# Altium PCB F.PcbDoc
Units mm, origin at the board's own origin, x right, y up, seen from the top; angles counter-clockwise.
Board outline 65 x 25 mm, 2 copper layers (Top Layer, Bottom Layer); 80 components, 51 nets, 269 pads, 170 vias.
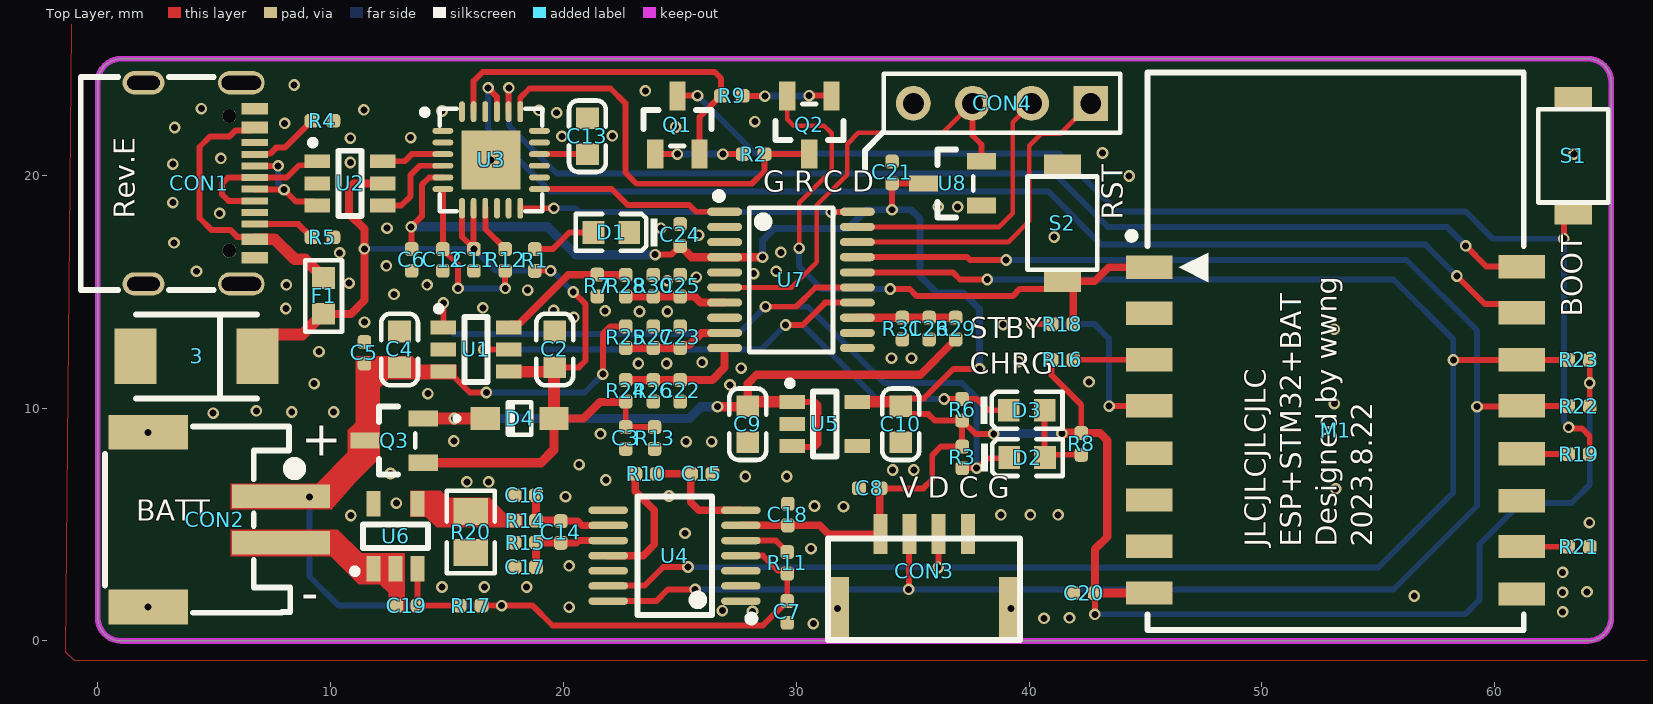
[diagram p0: Top Layer view]
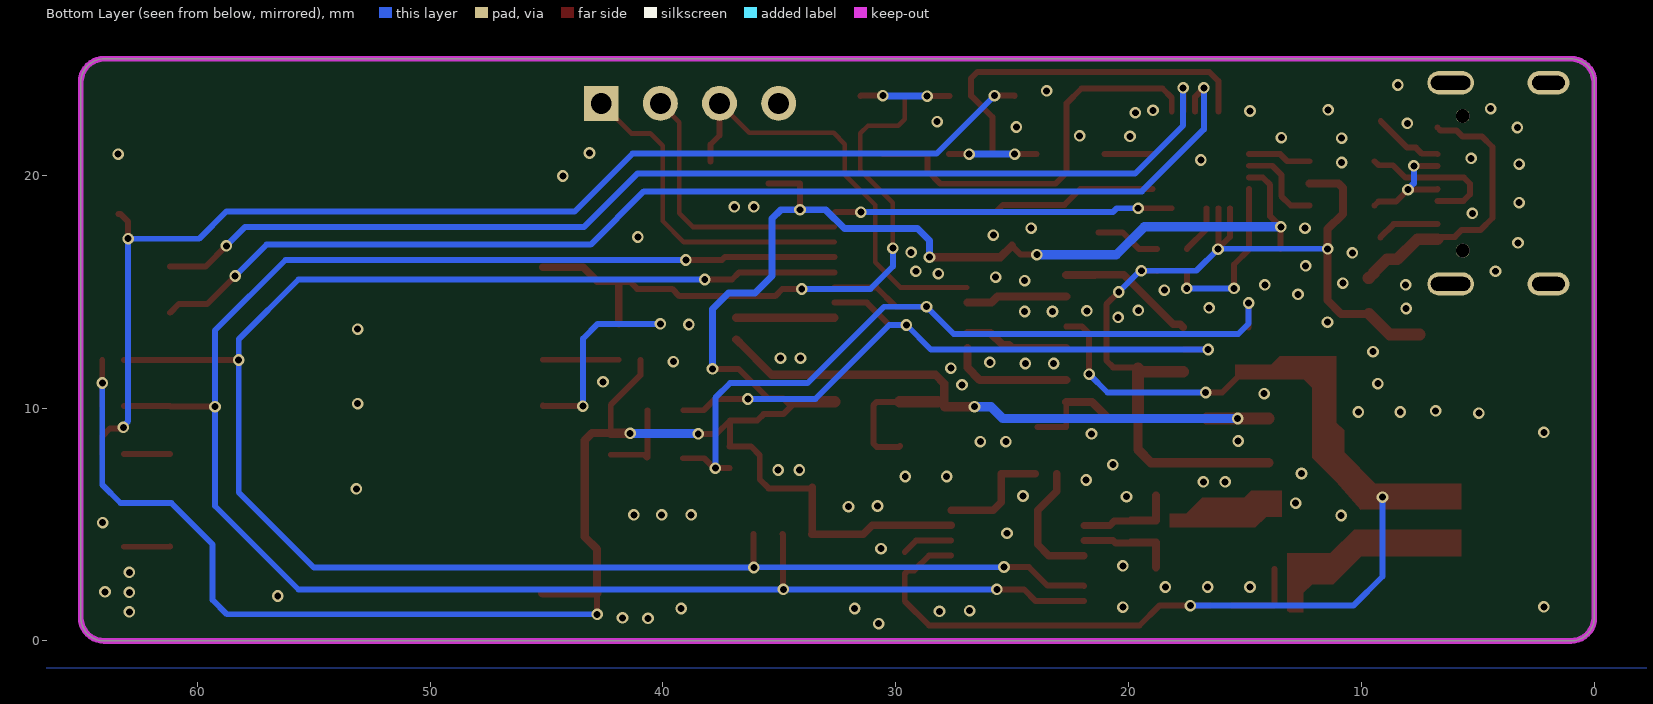
[diagram p1: Bottom Layer view, seen from below]

## Layer stack, top to bottom
Top Solder: solder mask 0.0102, Solder Resist, Dk 3.5
Top Layer: signal copper 0.0356
Dielectric 1: dielectric 0.32, FR-4, Dk 4.8
Bottom Layer: signal copper 0.0356
Bottom Solder: solder mask 0.0102, Solder Resist, Dk 3.5

## Board outline
0,1 0,24 cw(c1,24) 1,25 64,25 cw(c64,24) 65,24 65,1 cw(c64,1) 64,0 1,0 cw(c1,1)

## Design rules (kind name [scope] priority, off if disabled: settings)
Clearance [All] p1: gap=0.127 ignorepadtopadclearanceinfootprint=FALSE
PolygonConnect [All] p1: connectstyle=Direct reliefconductorwidth=0.254 reliefentries=4 polygonreliefangle="90 Angle" airgapwidth=0.254
RoutingVias [All] p1: holewidth=0.711 width=1.27 viastyle="Through Hole" minholewidth=0.711 minwidth=1.27 maxholewidth=0.711 maxwidth=1.27
SolderMaskExpansion [All] p1: expansion=0.102 istentingtop=FALSE
Width [All] p1: maxlimit=1 minlimit=0.152 preferedwidth=0.254
30 further rules are at their usual default settings.

## Components (designator, comment, footprint, x,y, rotation, side; value= is the part's Value field where it differs from the comment)
3 "Cap Pol1" 2312_6023-28_SMT-TAJ-C 4.242,12.217 r0 top value=100uF/16V (schematic designator C1)
C2 "4.7uF" 0603_C 19.627,12.515 r90 top
C3 "0.1uF" 0402_C1 22.676,8.712 r270 top
C4 "4.7uF" 0603_C 12.963,12.515 r90 top
C5 "0.1uF" 0402_C1 11.455,12.37 r90 top
C6 "0.1uF" 0402_C1 13.483,16.362 r270 top
C7 "0.1uF" 0402_C1 29.612,1.244 r90 top
C8 "0.1uF" 0402_C1 33.151,6.553 r0 top
C9 "1uF" 0603_C 27.918,9.306 r90 top
C10 "1uF" 0603_C 34.487,9.306 r90 top
C11 "4.7uF" 0402_C1 16.158,16.362 r90 top
C12 "1uF" 0402_C1 14.82,16.362 r90 top
C13 "4.7uF" 0603_C 21.031,21.674 r270 top
C14 "0.1uF" 0402_C1 19.892,4.676 r90 top
C15 "1uF" 0402_C1 25.936,7.169 r180 top
C16 "0.1uF" 0402_C1 18.36,6.249 r0 top
C17 "0.1uF" 0402_C1 18.36,3.165 r180 top
C18 "0.1uF" 0402_C1 29.638,5.424 r270 top
C19 "0.1uF" 0402_C1 13.275,1.513 r180 top
C20 "0.1uF" 0402_C1 42.361,2.053 r0 top
C21 "0.1uF" 0402_C1 34.112,20.117 r270 top
C22 "0.1uF" 0402_C1 25.013,10.739 r90 top
C23 "0.1uF" 0402_C1 25.013,13.044 r270 top
C24 "100nF" 0402_C1 25.013,17.434 r90 top
C25 "0.1uF" 0402_C1 25.013,15.254 r270 top
C26 "0.1uF" 0402_C1 35.702,13.414 r90 top
CON1 "USB Type-C" TYPE-C-SMD_HX-TYPE-C-16PIN 4.351,19.649 r270 top
CON2 "PH2.0 1x2" CONN-SMD_2P-P2.00_HDGC_HDGC2001WR-S-2P 5.018,5.209 r270 top
CON3 "GH1.25" "GH1.25 4P 卧贴" 35.491,0.041 r0 top
CON4 "HDR1x4" hdr1x4 42.647,23.089 r180 top
D1 "LED" 0603_LED_S1 22.058,17.544 r180 top
D2 "LED" 0603_LED_S1 39.914,7.87 r0 top
D3 "LED" 0603_LED_S1 39.896,9.905 r0 top
D4 "B5819W SL" SOD-123_MARK 18.119,9.553 r0 top
F1 "6V/0.5A" 0603_L 9.7,14.814 r270 top
M1 "ESP-12F" ESP_12 45.161,16.043 r0 top
Q1 "SS8050" SOT-23(SOT-23-3) 24.895,22.157 r270 top
Q2 "SS8050" SOT-23(SOT-23-3) 30.562,22.157 r90 top
Q3 "AO3415" SOT-23(SOT-23-3) 12.73,8.603 r0 top
R1 "10K" 0402_R1 18.771,16.358 r270 top
R2 "10K" 0402_R1 28.172,20.907 r180 top
R3 "47K" 0402_R1 37.132,7.883 r270 top
R4 "5.1K" 0402_R1 9.65,22.336 r180 top
R5 "5.1K" 0402_R1 9.65,17.328 r180 top
R6 "47K" 0402_R1 37.119,9.931 r90 top
R7 "5.1K" 0402_R1 21.454,15.263 r270 top
R8 "10K" 0402_R1 42.24,8.458 r90 top
R9 "10K" 0402_R1 27.232,23.407 r0 top
R10 "10K NTC" 0402_R1 23.551,7.169 r180 top
R11 "10K" 0402_r1 29.612,3.353 r270 top
R12 "10K" 0402_R1 17.496,16.362 r90 top
R13 "10K" 0402_R1 23.912,8.712 r270 top
R14 "100R" 0402_R1 18.36,5.163 r0 top
R15 "100R" 0402_R1 18.36,4.223 r0 top
R16 "10K" 0402_R1 41.431,12.063 r0 top
R17 "1K" 0402_R1 16.011,1.513 r0 top
R18 "1K" 0402_R1 41.431,13.609 r180 top
R19 "10K" 0402_R1 63.612,8.023 r0 top
R20 "0.01R(10mR)" 0805_R 16.019,4.676 r90 top
R21 "10K" 0402_R1 63.612,4.043 r0 top
R22 "10K" 0402_R1 63.612,10.083 r0 top
R23 "10K" 0402_R1 63.612,12.063 r0 top
R24 "10K" 0402_R1 22.676,10.739 r270 top
R25 "10K" 0402_R1 22.676,13.044 r90 top
R26 "10K" 0402_R1 23.86,10.739 r90 top
R27 "10K" 0402_R1 23.86,13.044 r270 top
R28 "10K" 0402_R1 22.676,15.254 r90 top
R29 "10K" 0402_R1 36.846,13.414 r270 top
R30 "10K" 0402_R1 23.86,15.254 r270 top
R31 "10K" 0402_R1 34.558,13.414 r90 top
S1 "3*4 龟仔" 3X4小龟 63.373,20.828 r90 top
S2 "3*4 龟仔" 3X4小龟 41.431,17.941 r90 top
U1 "TP4057" SOT-23-6 16.244,12.515 r180 top
U2 "USBLC6-2" SOT-23-6 10.835,19.649 r180 top
U3 "CP2105-F01-GM" QFN50P400X400X80_HS-25N 16.894,20.654 r0 top
U4 "BQ34Z100PWR" TSSOP-14 24.772,3.659 r90 top
U5 "RT9013-3.0V" SOT-23-5 31.225,9.315 r180 top
U6 "IP3012" SOT-23-5 12.79,4.494 r270 top
U7 "STM32G030F6P6" TSSOP-20 29.774,15.504 r270 top locked
U8 "MAX809T" SOT-23(SOT-23-3) 36.707,19.645 r0 top

## Footprints (in the part's own frame and the unit in brackets; to place one, negate y for a bottom-side part, rotate by r counter-clockwise, add the part's x,y. Pads: shape width x height; smd on the part's side, far side on the other; paste and mask are expansions set on the pad)
3X4小龟 [mm]
  rect 0.9x1.6 smd: 1(-2.5,0) 2(2.5,0)
  silkscreen extent -2,-1.5 2,1.5
0402_C1 [mm]
  rrect52% 0.6x0.58 smd: 1(-0.465,0) 2(0.465,0)
  body extent -0.48,-0.3 0.52,0.3, height 0.2
0402_R1 [mm]
  rrect52% 0.6x0.58 smd: 1(-0.465,0) 2(0.465,0)
  body extent -0.57,-0.27 0.58,0.28, height 0.41
0402_r1 [mm]
  rrect52% 0.6x0.58 smd: 1(-0.465,0) 2(0.465,0)
  body extent -0.57,-0.27 0.58,0.28, height 0.41
0603_C [mm]
  rect 0.93x0.98 smd: 1(-0.77,0) 2(0.77,0)
  silkscreen extent -1.53,-0.79 1.54,0.79, body extent -0.8,-0.4 0.8,0.4, height 0.3
0603_L [mm]
  rect 0.93x0.98 smd: 1(-0.77,0) 2(0.77,0)
  silkscreen extent -1.53,-0.79 1.54,0.79, body extent -0.82,-0.41 0.83,0.41, height 0.46
0603_LED_S1 [mm]
  rect 0.93x0.98 smd: A(0.77,0) K(-0.77,0)
  silkscreen extent -1.97,-0.79 1.54,0.79, body extent -0.8,-0.4 0.8,0.4, height 0.6
0805_R [mm]
  rect 1.16x1.47 smd: 1(-0.89,0) 2(0.89,0)
  silkscreen extent -1.77,-1.04 1.77,1.03, body extent -1,-0.62 1,0.63, height 0.49
2312_6023-28_SMT-TAJ-C [mm] "Metric 6023-28"
  rect 1.8x2.388 smd mask+0.051: 1(2.621,0) 2(-2.621,0)
  silkscreen extent -2.6,-1.8 2.6,1.8, body extent -3.5,-1.59 3.5,1.61, height 2.6
CONN-SMD_2P-P2.00_HDGC_HDGC2001WR-S-2P [mm]
  rect 1x4.2 smd paste+0 mask+0.05: 1(-1,2.85) 2(1,2.85)
  rect 1.5x3.4 smd paste+0 mask+0.05: 3(3.75,-2.85) 4(-3.75,-2.85)
  silkscreen extent -4,-4.7 4,3.68
ESP_12 [mm] "ESP-12 Wi-Fi Module by AI-Thinker"
  rect 2x1 smd: 1(0,0) 2(0,-1.97) 3(0,-3.97) 4(0,-5.94) 5(0,-7.98) 6(0,-9.99) 7(0,-11.98) 8(0,-13.99) 9(16,-14.03) 10(16,-11.99) 11(16,-10.03) 12(16,-8.01) 13(16,-5.95) 14(16,-3.97) 15(16,-1.95) 16(16,0.03)
  silkscreen extent -0.91,-15.57 16.08,8.37, body extent 0,-15.49 16,8.51, height 2.75
"GH1.25 4P 卧贴" [mm]
  rect 1x2.7 smd: 0(-3.725,1.35) 0(3.725,1.35)
  rect 0.6x1.7 smd: 1(-1.875,4.55) 2(-0.625,4.55) 3(0.625,4.55) 4(1.875,4.55)
  silkscreen extent -4.12,0 4.13,4.35
hdr1x4 [mm] "Connector; Header; 4 Position"
  rect 1.5x1.5 hole 0.9: 1(0,0)
  round 1.5 hole 0.9: 2(2.54,0) 3(5.08,0) 4(7.62,0)
  silkscreen extent -1.27,-1.27 8.89,1.27
QFN50P400X400X80_HS-25N [mm] "QFN, 24-Leads, Body 4.00x4.00mm, Pitch 0.50mm, Thermal Pad 2.54x2.54mm, IPC Medium Density"
  oval 0.9x0.25 smd: 1(-2.073,1.25) 2(-2.073,0.75) 3(-2.073,0.25) 4(-2.073,-0.25) 5(-2.073,-0.75) 6(-2.073,-1.25) 13(2.073,-1.25) 14(2.073,-0.75) 15(2.073,-0.25) 16(2.073,0.25) 17(2.073,0.75) 18(2.073,1.25)
  oval 0.25x0.9 smd: 7(-1.25,-2.073) 8(-0.75,-2.073) 9(-0.25,-2.073) 10(0.25,-2.073) 11(0.75,-2.073) 12(1.25,-2.073) 19(1.25,2.073) 20(0.75,2.073) 21(0.25,2.073) 22(-0.25,2.073) 23(-0.75,2.073) 24(-1.25,2.073)
  rect 2.54x2.54 smd: 25(0,0)
  silkscreen extent -2.97,-2.2 2.2,2.2, body extent -2.1,-2.1 2.1,2.1, height 0.8
SOD-123_MARK [mm]
  rect 1.25x1 smd: 1(1.475,0) 2(-1.475,0)
  silkscreen extent -2.79,-0.7 0.5,0.7, body extent -1.85,-0.77 1.85,0.78, height 1.35
SOT-23(SOT-23-3) [mm]
  rect 1.25x0.7 smd: 1(1.25,-0.95) 2(1.25,0.95) 3(-1.25,0)
  silkscreen extent -0.65,-1.46 0.9,1.46, body extent -1.5,-1.5 1.5,1.5, height 1.3
SOT-23-5 [mm]
  rect 1.1x0.6 smd: 1(1.4,-0.95) 2(1.4,0) 3(1.4,0.95) 4(-1.4,0.95) 5(-1.4,-0.95)
  silkscreen extent -0.5,-1.87 1.62,1.4
SOT-23-6 [mm]
  rect 1.1x0.6 smd: 1(1.4,-0.95) 2(1.4,0) 3(1.4,0.95) 4(-1.4,0.95) 5(-1.4,0) 6(-1.4,-0.95)
  silkscreen extent -0.5,-1.87 1.72,1.4
TSSOP-14 [mm]
  oval 0.32x1.7 smd: 1(-1.95,-2.85) 2(-1.3,-2.85) 3(-0.65,-2.85) 4(0,-2.85) 5(0.65,-2.85) 6(1.3,-2.85) 7(1.95,-2.85) 8(1.95,2.85) 9(1.3,2.85) 10(0.65,2.85) 11(0,2.85) 12(-0.65,2.85) 13(-1.3,2.85) 14(-1.95,2.85)
  silkscreen extent -2.85,-3.45 2.55,1.6
TSSOP-20 [mm]
  oval 0.35x1.5 smd: 1(-2.925,-2.85) 2(-2.275,-2.85) 3(-1.625,-2.85) 4(-0.975,-2.85) 5(-0.325,-2.85) 6(0.325,-2.85) 7(0.975,-2.85) 8(1.625,-2.85) 9(2.275,-2.85) 10(2.925,-2.85) 11(2.925,2.85) 12(2.275,2.85) 13(1.625,2.85) 14(0.975,2.85) 15(0.325,2.85) 16(-0.325,2.85) 17(-0.975,2.85) 18(-1.625,2.85) 19(-2.275,2.85) 20(-2.925,2.85)
  silkscreen extent -3.75,-3.25 3.1,1.8
TYPE-C-SMD_HX-TYPE-C-16PIN [mm]
  oval 1x2 hole 0.6 slot 1.7 at 90 deg paste+0 mask+0.051: 1(-4.32,1.816) 1(4.32,1.816)
  oval 1x1.8 hole 0.6 slot 1.4 at 90 deg paste+0 mask+0.051: 1(-4.32,-2.384) 1(4.32,-2.384)
  round 0.6 hole 0.6: 6(-2.89,1.296) 6(2.89,1.296)
  rect 0.5x1.14 smd paste-100 mask+0.051: A1(-3.2,2.383) A4(-2.4,2.383) A9(2.4,2.383) A12(3.2,2.383)
  rect 0.3x1.14 smd paste-100 mask+0.051: A5(-1.25,2.383) A6(-0.25,2.383) A7(0.25,2.383) A8(1.25,2.384) B5(1.75,2.383) B6(0.75,2.383) B7(-0.75,2.383) B8(-1.75,2.384)
  silkscreen extent -4.57,-5.08 4.57,0.63

## Part data
3: "Polarized Capacitor (Radial)", LatestRevisionDate=17-Jul-2002, LatestRevisionNote="Re-released for DXP Platform.", PackageDescription="Polarized Capacitor (Radial); 2 Leads", PackageReference=RB7.6-15, Published=8-Jun-2000, Publisher="Altium Limited"
C2 C3 C4 C5 C6 C7 C8 C9 C10 C11 C12 C13 C14 C15 C16 C17 C18 C19 C20 C21 C22 C23 C24 C25 C26: library part "0603 100nF (104) 10% 50V", "贴片电容", Package=0603, SuppliersPartNumber=C14663, ComponentLink1Description=供应商链接, ComponentLink1URL=http://www.szlcsc.com/product/details_15331.html, Supplier=LC
CON2: library part HDR1x2
CON3: library part HDR1x4
D1 D2 D3 D4: library part Diode, "二极管", Package=SMA(DO-214AC), SuppliersPartNumber=C95872, ComponentLink1Description=供应商链接, ComponentLink1URL=http://www.szlcsc.com/product/details_2841.html, Notepad="1N4007 4007 编号C2464 已经停售, 使用新物料编号C95872", Supplier=LC
F1 R1 R2 R3 R4 R5 R6 R7 R8 R9 R10 R11 R12 R13 R14 R15 R16 R17 R18 R19 R20 R21 R22 R23 R24 R25 R26 R27 R28 R29 R30 R31: library part RES, "Resistor"
Q1 Q2: "NPN General Purpose Amplifier"
Q3: "P沟道,-20V,-4A,41mΩ@-4.5V"
S1 S2: library part SW-PB, "Switch", LatestRevisionDate=17-Jul-2002, LatestRevisionNote="Re-released for DXP Platform.", PackageDescription="Switch; 2 Leads", PackageReference=SPST-2, Published=24-Mar-1999, Publisher="Altium Limited"
U1: "500mA 线性锂离子电池充电器"
U2: "Very low capacitance ESD protection"
U5: library part RT9013-3.3V
U6: "高精度内置 MOSFET 单节锂电池保护 IC"
U8: "3.08v"

## Via types
v1: diameter 0.5, hole 0.3, Top Layer to Bottom Layer, tented both sides, 170 vias

## Nets (pads, with @x,y where several pads share a name; then routed paths per layer and width w, separated by ;. In a path a pad name is that pad's centre, name@x,y a point inside that pad or via, vN(x,y) a via of type N, cw(c..) or ccw(c..) an arc to the next point about the centre after c; other vN are vias at no path point)
5VADC: C22.2 R24.1 R26.2 U7.10 | length 5.3
  Top Layer w0.35: R24.1 R26.2 C22.2 26.394,11.204 26.924,11.735 U7.10
031RST: CON4.3 U7.6 U8.2 | length 18.8
  Top Layer w0.2: U7.6 29.809,15.179 30.886,16.256 30.886,18.72 32.182,20.015 32.182,21.336 32.664,21.819 36.297,21.819 CON4.3 CON4.3@37.567,22.763
  Top Layer w0.254: CON4.3@37.567,22.763 37.567,21.708 37.957,21.318 U8.2
031RXD: U3.12 U7.20 | length 14.6
  Top Layer w0.152: U7.20@32.604,18.409 U7.20
  Top Layer w0.254: U3.12 v1(19.588,18.581) ; v1(31.496,18.415) 31.503,18.422 32.592,18.422 U7.20@32.604,18.409
  Bottom Layer w0.254: v1(19.588,18.581) 20.51,18.581 20.676,18.415 v1(31.496,18.415)
031TXD: U3.13 U7.1 | length 8.4
  Top Layer w0.254: U3.13 22.074,19.404 22.758,18.72 25.4,18.72 25.691,18.429 U7.1
2105VIO: C12.2 R12.1 U3.6 | length 7.3
  Top Layer w0.254: U3.6 C12.2 14.82,16.817 15.469,16.168 v1(15.469,15.138) ; R12.1 17.498,15.894 17.498,15.141 v1(17.501,15.138)
  Bottom Layer w0.254: v1(15.469,15.138) v1(17.501,15.138)
8266RXD: M1.16 U3.20 | length 48.7
  Top Layer w0.254: U3.20 17.646,22.73 17.646,23.742 v1(17.653,23.749) ; v1(58.75,16.967) 59.639,16.078 61.156,16.078 M1.16
  Bottom Layer w0.254: v1(17.653,23.749) 17.653,22.136 19.723,20.066 41.097,20.066 43.383,17.78 57.937,17.78 v1(58.75,16.967)
8266TXD: M1.15 U3.21 | length 50.6
  Top Layer w0.254: v1(16.764,23.749) 17.142,23.371 17.142,22.73 U3.21 ; v1(58.369,15.672) 59.575,14.466 60.788,14.466 M1.15
  Bottom Layer w0.254: v1(16.764,23.749) 16.764,21.971 19.431,19.304 40.818,19.304 43.104,17.018 57.023,17.018 v1(58.369,15.672)
+2.5V: C15.2 R10.1 U4.7 | length 5
  Top Layer w0.32: R10.1 C15.2 25.471,5.949 25.811,5.609 U4.7
+3.0V: C6.1 C8.2 C10.2 C18.2 C20.2 C21.2 C24.1 CON3.1 M1.8 R3.1 R6.1 R8.2 R16.1 R22.2 R23.2 U3.5 U4.6 U5.5 U7.4 U8.3 | length 113.4
  Top Layer w0.254: C6.1@13.483,16.837 13.472,16.847 13.472,17.77 v1(13.462,17.78) 13.919,18.237 13.919,19.583 14.238,19.902 14.818,19.902 U3.5 ; v1(23.943,16.586) 24.63,16.586 C24.1 ; C8.2 35.458,6.553 35.839,6.934 35.839,7.976 36.212,8.348 R3.1 ; v1(34.112,18.517) 34.112,19.645 C21.2@34.116,19.648 ; C21.2 C21.2@34.116,19.648 ; C10.2@34.297,10.265 C10.2 ; U8.3 35.454,19.648 C21.2@34.116,19.648 ; R3.1@37.119,8.361 R6.1 ; v1(37.871,11.684) 36.754,11.684 35.483,10.414 34.825,10.414 C10.2 ; v1(38.481,8.89) 37.695,8.89 R6.1 ; R16.1 40.966,11.409 42.24,10.135 R8.2 R8.2@42.236,8.919 ; v1(41.402,8.915) v1@41.406,8.919 ; v1(42.824,1.143) C20.2@42.825,2.052 ; R22.2 v1(64.077,11.073) R23.2 ; C10.2 34.825,9.738 35.674,9.738 35.946,9.466 R6.1
  Top Layer w0.32: U4.6 C18.2 31.007,4.959 31.394,4.572 33.616,4.572 33.581,4.607 C8.2@33.581,6.589
  Top Layer w0.35: C24.1 25.503,16.479 U7.4 v1(28.55,16.479) ; R8.2 43.045,8.923 43.358,8.611 43.358,4.47 42.826,3.938 C20.2
  Top Layer w0.4: v1@41.406,8.919 R8.2@42.236,8.919 ; C20.2 M1.8
  Top Layer w0.5: U5.5 C10.2@34.297,10.265
  Bottom Layer w0.254: v1@41.389,8.903 v1(41.402,8.915) ; v1(42.824,1.143) 58.725,1.143 59.334,1.753 59.334,4.14 61.112,5.918 63.297,5.918 64.077,6.699 v1(64.077,11.073)
  Bottom Layer w0.3: v1(28.55,16.479) 28.55,17.196 29.058,17.704 32.207,17.704 33.02,18.517 v1(34.112,18.517) 34.925,18.517 35.306,18.136 35.306,15.672 36.043,14.935 37.186,14.935 37.871,14.249 v1(37.871,11.684)
  Bottom Layer w0.4: v1(13.462,17.78) 19.329,17.78 20.523,16.586 v1(23.943,16.586) ; v1(38.481,8.89) 38.494,8.903 v1@41.389,8.903
+5V: 3.1 C2.1 C3.1 C11.2 D4.1 F1.2 Q3.1 R1.2 R13.1 R24.2 U1.4 U2.5 U3.7 U3.8 | length 47
  Top Layer w0.254: F1.2@9.675,14.044 F1.2 ; U3.7 15.644,17.353 C11.2@16.146,16.851 ; U3.8 16.146,18.579 C11.2@16.146,16.851 ; v1(16.158,16.827) 16.158,16.839 C11.2@16.146,16.851 ; R1.2 18.774,15.896 v1(19.452,15.896) ; C2.1 20.66,11.745 20.955,12.04 20.955,14.453 v1(20.422,14.986) ; R24.2 22.676,10.264 C3.1 R13.1
  Top Layer w0.35: F1.2 10.869,14.044 11.455,14.63 11.455,16.835 v1(11.45,16.84) 11.45,17.684 10.795,18.339 10.795,19.456 10.988,19.649 U2.5 ; C2.1@19.447,11.565 19.594,11.712 C2.1 ; D4.1 D4.1@19.594,9.586 ; D4.1@19.599,9.553 20.856,9.553 21.567,10.264 R24.2@22.676,10.264
  Top Layer w0.4: Q3.1 19.033,7.653 19.594,8.215 D4.1
  Top Layer w0.5: 3.1@7.493,13.157 8.788,13.157 F1.2@9.675,14.044 ; U1.4 C2.1@19.447,11.565 ; D4.1@19.594,9.586 C2.1@19.594,11.712
  Bottom Layer w0.254: v1(11.45,16.84) v1@16.145,16.84 ; v1(16.158,16.827) 17.088,15.896 v1@19.482,15.896 ; v1(19.452,15.896) 19.511,15.896 v1(20.422,14.986)
BAT+: C4.1 C5.1 C7.2 CON2.1 Q3.3 R11.2 R17.2 R25.2 U1.3 U4.4 | length 41.7
  Top Layer w0.254: C4.1@12.954,11.736 C4.1 ; U1.3 15.094,11.565 15.267,11.392 15.267,11.378 15.977,10.668 v1(16.688,10.668) ; R17.2 v1(17.348,1.513) 18.68,1.513 19.533,0.66 28.564,0.66 C7.2 R11.2 29.47,3.03 29.202,3.03 28.573,3.659 U4.4 ; v1(21.692,11.455) 21.692,13.195 22.005,13.509 R25.2
  Top Layer w0.35: Q3.3@11.379,8.704 Q3.3
  Top Layer w0.5: CON2.1 9.056,6.209 v1(9.093,6.172) ; C4.1@12.767,11.549 C4.1@12.954,11.736
  Bottom Layer w0.254: v1(9.093,6.172) 9.093,2.769 10.348,1.513 v1(17.348,1.513) ; v1(16.688,10.668) 20.904,10.668 v1(21.692,11.455)
BAT-: C19.2 CON2.2 U6.1 U6.2
BATADC: C23.2 R25.1 R27.2 U7.9 | length 4.5
  Top Layer w0.35: R25.1 R27.2 C23.2 25.013,12.589 25.128,12.704 25.404,12.704 25.929,13.229 U7.9
BOOT: Q1.3 R19.2 S1.1 | length 51.9
  Top Layer w0.254: Q1.3 24.907,23.419 v1(25.756,23.419) ; v1(62.967,17.272) 62.967,18.005 63.29,18.328 S1.1 ; v1(63.17,9.169) 63.217,9.122 63.75,9.122 64.077,8.795 R19.2
  Bottom Layer w0.254: v1(25.756,23.419) 28.251,20.924 41.306,20.924 43.79,18.44 58.75,18.44 59.919,17.272 v1(62.967,17.272) 62.967,9.439 63.157,9.249 63.157,9.182 v1(63.17,9.169)
CHRG: D2.K R3.2 U1.1 U7.15 | length 36.6
  Top Layer w0.254: U1.1 v1(14.844,14.514) ; v1(28.677,14.351) 29.997,14.351 30.825,15.179 U7.15 ; R3.2 v1(37.744,7.417) ; v1@37.796,7.418 38.223,7.845 D2.K@39.144,7.845
  Bottom Layer w0.254: v1(14.844,14.514) 14.844,13.63 15.291,13.183 27.508,13.183 v1(28.677,14.351) 30.505,14.351 33.782,11.074 37.109,11.074 37.744,10.439 v1(37.744,7.417)
D+: U2.6 U3.3 | length 2.7
  Top Layer w0.25: U2.6 13.182,20.599 13.488,20.904 U3.3
D-: U2.4 U3.4 | length 3.8
  Top Layer w0.25: U2.4 13.035,18.699 13.437,19.101 13.437,20.015 13.826,20.404 U3.4
DTR: Q1.2 R9.1 U3.23 | length 15.8
  Top Layer w0.254: U3.23 16.144,24.043 16.535,24.435 26.492,24.435 26.767,24.16 R9.1 ; Q1.2 25.845,22.494 R9.1@26.757,23.407
ESP_RST: M1.1 Q2.2 R18.1 S2.1 | length 27.3
  Top Layer w0.2: Q2.2 29.612,22.407 29.896,22.123 31.191,22.123 31.521,21.793 31.521,20.218 30.124,18.821 v1(30.124,16.866)
  Top Layer w0.254: v1(34.036,15.113) 34.874,15.113 35.179,14.808 39.294,14.808 39.604,15.118 41.108,15.118 S2.1
  Top Layer w0.32: S2.1 41.896,15.441 42.822,15.441 43.424,16.043 M1.1 ; R18.1 S2.1@41.896,15.421
  Bottom Layer w0.254: v1(30.124,16.866) 30.124,16.078 31.09,15.113 v1(34.036,15.113)
GND: 3.2 C2.2 C3.2 C4.2 C5.2 C6.2 C7.1 C8.1 C9.1 C10.1 C11.1 C12.1 C13.1 C15.1 C16.1 C17.2 C18.1 C20.1 C21.1 C22.1 C23.1 C24.2 C25.1 C26.1 CON1.A1 CON1.A12 CON3.4 CON4.4 D1.K M1.9 R4.1 R5.1 R7.2 R13.2 R15.1 R20.1 R21.2 R26.1 R27.1 R30.1 R31.1 S1.2 S2.2 U1.2 U2.2 U3.2 U3.25 U4.1 U4.2 U4.3 U4.8 U4.12 U5.2 U7.5 U8.1
  other v1: 30.734,0.737 40.64,0.965 41.732,0.991 62.916,1.245 28.118,1.27 26.822,1.295 31.766,1.391 39.216,1.391 2.168,1.459 20.244,1.448 56.54,1.93 62.916,2.083 63.957,2.108 14.783,2.311 16.603,2.311 18.423,2.311 62.916,2.946 20.244,3.226 30.632,3.962 25.222,4.623 64.059,5.08 10.871,5.385 38.786,5.41 40.056,5.41 41.25,5.41 32.029,5.766 30.785,5.791 12.827,5.918 20.091,6.198 24.536,6.223 53.162,6.528 15.85,6.833 16.789,6.833 21.819,6.909 27.813,7.061 29.591,7.061 12.573,7.188 34.138,7.341 35.052,7.341 20.676,7.569 25.273,8.56 26.365,8.56 15.291,8.585 21.59,8.89 2.168,8.959 4.953,9.779 8.331,9.83 10.135,9.83 6.807,9.881 53.111,10.185 14.173,10.617 27.153,10.998 9.296,11.049 42.57,11.125 27.635,11.709 23.216,11.913 24.435,11.913 25.959,11.963 39.548,11.989 34.087,12.141 34.95,12.141 9.5,12.421 53.111,13.386 38.887,13.589 11.455,13.691 20.447,13.894 23.266,14.148 24.46,14.148 21.793,14.173 19.583,14.199 8.077,14.275 16.535,14.3 12.725,14.884 18.466,15.062 8.103,15.291 14.148,15.291 10.795,15.367 24.46,15.469 25.705,15.621 28.169,15.773 4.242,15.875 29.134,15.875 12.395,16.104 10.389,16.662 29.337,16.688 3.277,17.094 41.072,17.348 25.806,17.424 12.421,17.729 24.181,17.729 5.232,18.364 36.093,18.644 36.932,18.644 3.226,18.821 44.298,19.964 3.226,20.472 10.846,20.549 16.894,20.654 5.283,20.726 63.398,20.904 43.155,20.955 10.846,21.59 13.437,21.615 19.939,21.666 22.098,21.692 3.302,22.047 24.816,22.073 8.026,22.225 28.219,22.301 19.71,22.682 14.783,22.758 18.948,22.784 11.43,22.809 4.445,22.86 23.52,23.622 8.433,23.876
LDOADC: C26.2 R29.1 R31.2 U7.13 | length 4.2
  Top Layer w0.35: U7.13 R31.2 R29.1
LDOVin: C9.2 D4.2 Q3.2 R29.2 U5.1 U5.3 | length 31.9
  Top Layer w0.254: C9.2@27.9,10.058 C9.2 ; U5.3 29.859,8.331 30.814,8.331 30.963,8.48 30.963,10.116 30.814,10.265 U5.1
  Top Layer w0.35: C9.2 27.918,11.052 28.296,11.43 35.327,11.43 36.721,12.824 36.731,12.824 36.846,12.939 R29.2
  Top Layer w0.4: v1(26.619,10.058) C9.2@27.9,10.058
  Top Layer w0.5: Q3.2 v1(15.312,9.553) D4.2 ; C9.2@28.194,10.265 U5.1
  Bottom Layer w0.4: v1(15.312,9.553) 25.403,9.553 25.908,10.058 v1(26.619,10.058)
NetC13_2: C13.2 U3.16 | length 2.1
  Top Layer w0.254: U3.16 C13.2
NetC14_1: C14.1 C17.1 R15.2 U4.10 | length 4.2
  Top Layer w0.3: C14.1 20.568,4.211 20.667,4.309 U4.10
  Top Layer w0.35: C17.1 R15.2 C14.1@19.892,4.223
NetC14_2: C14.2 C16.2 R14.2 U4.9 | length 4.3
  Top Layer w0.3: C14.2 20.615,5.141 20.796,4.959 U4.9
  Top Layer w0.35: C16.2 R14.2 C14.2@19.892,5.163
NetC19_1: C19.1 R17.1 U6.3 | length 3.4
  Top Layer w0.254: U6.3 C19.1 R17.1
NetCON1_A4: CON1.A4 CON1.A9 F1.1 | length 12.2
  Top Layer w0.254: CON1.A9 6.629,17.354 5.988,17.354 5.69,17.653 4.877,17.653 4.369,18.161 4.369,21.209 4.826,21.666 5.664,21.666 5.924,21.926 6.611,21.926 CON1.A4
  Top Layer w0.5: CON1.A9 7.592,17.249 8.458,16.383 8.901,16.383 9.46,15.824 9.46,15.799 9.675,15.584 F1.1
NetCON1_A5: CON1.A5 R4.2 | length 3
  Top Layer w0.254: CON1.A5 6.757,20.922 7.405,20.922 7.664,21.181 8.03,21.181 R4.2@9.169,22.321
NetCON1_A6: CON1.A6 CON1.B6 U2.1 | length 6.5
  Top Layer w0.254: CON1.B6 5.612,18.899 5.334,19.177 5.334,19.634 5.599,19.899 CON1.A6 8.114,19.899 8.641,20.426 9.262,20.426 U2.1
NetCON1_A7: CON1.A7 CON1.B7 U2.3 | length 5.1
  Top Layer w0.254: CON1.A7 6.743,19.39 v1@7.991,19.39 ; CON1.B7 6.736,20.401 7.745,20.401 v1(7.747,20.403) ; v1(8.001,19.38) 8.509,18.872 9.262,18.872 U2.3
  Bottom Layer w0.254: v1@7.747,20.385 7.747,19.652 8.001,19.398 v1(8.001,19.38)
NetCON1_B5: CON1.B5 R5.2 | length 2.7
  Top Layer w0.254: CON1.B5 8.614,17.899 R5.2
NetD1_A: D1.A R1.1 | length 2.8
  Top Layer w0.254: R1.1 19.54,16.823 20.262,17.544 D1.A
NetD2_A: D2.A D3.A R8.1 | length 3.7
  Top Layer w0.254: D3.A 40.666,7.888 D2.A 40.808,7.993 R8.1
NetM1_3: M1.3 R16.2 | length 3.3
  Top Layer w0.254: R16.2@41.896,12.073 M1.3
NetM1_4: M1.4 R18.2 | length 9.1
  Top Layer w0.254: v1(40.107,13.614) 40.109,13.612 40.963,13.612 R18.2 ; v1(43.434,10.084) 45.142,10.084 M1.4
  Bottom Layer w0.254: v1(40.107,13.614) 42.799,13.614 43.434,12.979 v1(43.434,10.084)
NetM1_10: M1.10 R21.1 | length 2
  Top Layer w0.254: M1.10 61.17,4.043 R21.1
NetM1_12: M1.12 R19.1 | length 2
  Top Layer w0.254: M1.12 61.17,8.023 R19.1
NetQ1_1: Q1.1 R2.2 | length 3.8
  Top Layer w0.254: Q1.1 23.947,20.904 v1(24.892,20.904) ; v1(26.848,20.904) v1(26.848,20.904) 27.706,20.905 R2.2
  Bottom Layer w0.3: v1(24.892,20.904) v1(26.848,20.904)
NetQ2_1: Q2.1 R9.2 | length 3.8
  Top Layer w0.254: R9.2 27.704,23.4 28.645,23.4 v1(28.651,23.393) ; v1(30.556,23.419) 31.5,23.419 Q2.1
  Bottom Layer w0.3: v1(28.651,23.393) 28.664,23.406 30.543,23.406 v1(30.556,23.419)
NetR10_2: R10.2 U4.11 | length 5.5
  Top Layer w0.32: U4.11 23.42,3.659 23.901,4.14 23.901,5.613 23.086,6.429 R10.2
NetR11_1: R11.1 U4.5 | length 2.2
  Top Layer w0.254: U4.5 29.121,4.309 R11.1
NetR12_2: R12.2 U3.9 | length 2.1
  Top Layer w0.254: U3.9 16.644,17.689 17.496,16.837 R12.2
NetR14_1: R14.1 R20.2 U6.4 | length 1
  Top Layer w0.35: R20.2 R20.2@16.421,5.163
  Top Layer w0.6: U6.4@13.74,5.74 U6.4 ; R20.2@15.844,5.74 R20.2
PROG: R7.1 R28.2 U1.6 | length 6
  Top Layer w0.32: U1.6 17.784,13.605 18.075,13.605 20.198,15.728 R7.1
  Top Layer w0.35: R7.1@21.454,15.719 R28.2
PROGADC: C25.2 R28.1 R30.2 U7.7 | length 4.4
  Top Layer w0.35: R28.1 R30.2 25.622,14.789 25.883,14.529 U7.7
RTS: Q2.3 R2.1 U3.19 | length 17.6
  Top Layer w0.254: U3.19 18.144,23.325 18.542,23.724 22.022,23.724 22.657,23.089 22.657,20.117 23.139,19.634 28.092,19.634 28.637,20.179 R2.1 Q2.3
SCL3V3: CON3.3 M1.14 R23.1 U4.13 U7.16 | length 77.7
  Top Layer w0.254: U4.13 21.935,2.372 23.479,2.372 24.282,3.175 v1(25.349,3.175) ; U7.16 32.639,15.814 36.739,15.814 37.033,15.519 v1(38.202,15.519) ; v1(36.093,3.15) 36.105,3.161 36.105,4.579 CON3.3 ; v1(58.217,12.065) 61.154,12.065 M1.14 61.17,12.063 R23.1
  Bottom Layer w0.254: v1(25.349,3.175) 25.362,3.162 36.081,3.162 v1(36.093,3.15) 54.991,3.15 58.217,6.375 v1(58.217,12.065) 58.217,12.954 55.651,15.519 v1(38.202,15.519)
SDA3V3: CON3.2 M1.13 R22.1 U4.14 U7.17 | length 80.8
  Top Layer w0.254: U4.14 23.985,1.709 24.486,2.21 v1(25.654,2.21) ; U7.17 32.627,16.482 37.341,16.482 37.466,16.356 v1(39.01,16.356) ; v1(34.823,2.21) 34.845,2.231 34.845,4.569 CON3.2 ; v1(59.233,10.058) 61.145,10.058 61.17,10.083 R22.1
  Bottom Layer w0.254: v1(25.654,2.21) 55.651,2.21 59.233,5.791 v1(59.233,10.058) 59.233,13.335 56.211,16.356 v1(39.01,16.356)
STBY: D3.K R6.2 U1.5 U7.14 | length 29.1
  Top Layer w0.254: v1(16.579,12.515) U1.5 ; v1(29.54,13.564) 30.277,13.564 31.242,14.529 U7.14 ; v1(36.347,10.389) 36.351,10.392 37.116,10.392 R6.2 37.747,10.396 38.238,9.905 D3.K
  Bottom Layer w0.254: v1(16.579,12.515) 28.492,12.515 v1(29.54,13.564) 30.277,13.564 33.452,10.389 v1(36.347,10.389)
SWCLK: CON4.2 U7.19 | length 12
  Top Layer w0.2: U7.19 38.708,17.779 39.294,18.364 39.294,22.276 CON4.2
SWDIO: CON4.1 U7.18 | length 14.4
  Top Layer w0.2: U7.18 39.1,17.129 40.005,18.034 40.005,21.26 40.538,21.793 41.351,21.793 CON4.1
pads on no net: CON1.1 CON1.6 CON1.A8 CON1.B8 CON2.3 CON2.4 CON3.0 M1.2 M1.5 M1.6 M1.7 M1.11 U3.1 U3.10 U3.11 U3.14 U3.15 U3.17 U3.18 U3.22 U3.24 U5.4 U6.5 U7.2 U7.3 U7.8 U7.11 U7.12

## Polygon pours and split planes (outlines as drawn)
GND on Top Layer "NONET_L01_P000" (solid, remove dead copper, shelved, pour order 0): -1.397,-0.457 -1.016,-0.838 91.338,-0.838 91.338,45.822 90.729,46.431 -0.94,46.431
GND on Bottom Layer "NONET_L02_P001" (solid, remove dead copper, shelved, pour order 1): -2.565,46.863 -2.489,46.787 -2.489,-1.168 91.288,-1.168 91.592,-0.864 91.008,-0.279 91.008,46.863

## Keep-outs
Keep-Out Layer:
  the board outline again, w0.254

## Other copper
Top Layer:
  region net BAT+: 10.744,8.103 9.398,6.756 5.715,6.756 5.715,5.651 10.033,5.639 11.074,6.833 12.116,7.874 12.116,11.227 15.392,11.227 15.418,11.252 15.418,11.862 13.868,11.862 13.513,12.217 12.446,12.217 11.074,12.217 11.074,9.373 10.744,9.042
  pour cut-out: 45.078,18.77 61.245,18.77 61.245,25 45.03,25
  region net BAT-: 5.715,4.775 5.715,3.632 10.008,3.632 11.201,2.438 12.116,2.438 12.497,2.057 12.497,1.219 13.106,1.219 13.183,1.295 13.183,3.759 11.328,3.759 10.312,4.775
  region net NetR14_1: 13.411,6.452 14.732,6.452 15.037,6.147 16.84,6.147 17.526,5.461 18.237,5.461 18.237,4.877 16.891,4.877 14.554,4.877 14.097,5.334 13.411,5.334
  region net BAT+: 12.471,11.227 12.116,11.227 12.116,10.871
Bottom Layer:
  pour cut-out: 45.078,18.77 61.245,18.77 61.245,25 45.03,25

## Silkscreen, mask and mechanical layers (free items; w line width, h text height)
Top Overlay:
  lines w0.254: 32.944,20.269 32.944,21.057 33.718,21.831
  text "G R C D" at 28.575,18.999 h1.52
  text "Rev.E" at 1.895,18.136 h1.52 r90
  text "RST" at 44.323,18.085 h1.52 r90
  text "BOOT" at 64.059,13.919 h1.52 r90
  text "STBY / CHRG" at 37.44,11.176 h1.52
  text "+" at 8.738,7.95 h1.52
  text "V D C G" at 34.418,5.853 h1.52
  text "BATT" at 1.652,4.851 h1.52
  text "JLCJLCJLCJLC / ESP+STM32+BAT / Designed by wwng / 2023.8.22" at 55.042,4.039 h1.52 r90
  text "-" at 8.738,2.468 h1.52 r180

## Text inside footprints (layer, text, board x,y; h text height)
M1: Mechanical 13 "CUTOUT POLYGON" at 45.288,23.409 h0.25; Mechanical 13 "ANTENNA AREA" at 45.288,23.917 h0.25